# Altium PCB smart.PcbDoc (part 3 of 5)
Units mm, origin at the board's own origin, x right, y up, seen from the top; angles counter-clockwise.
Board outline 300.1 x 225.04 mm, 2 copper layers (Top Layer, Bottom Layer); 355 components, 288 nets, 1364 pads, 1127 vias.
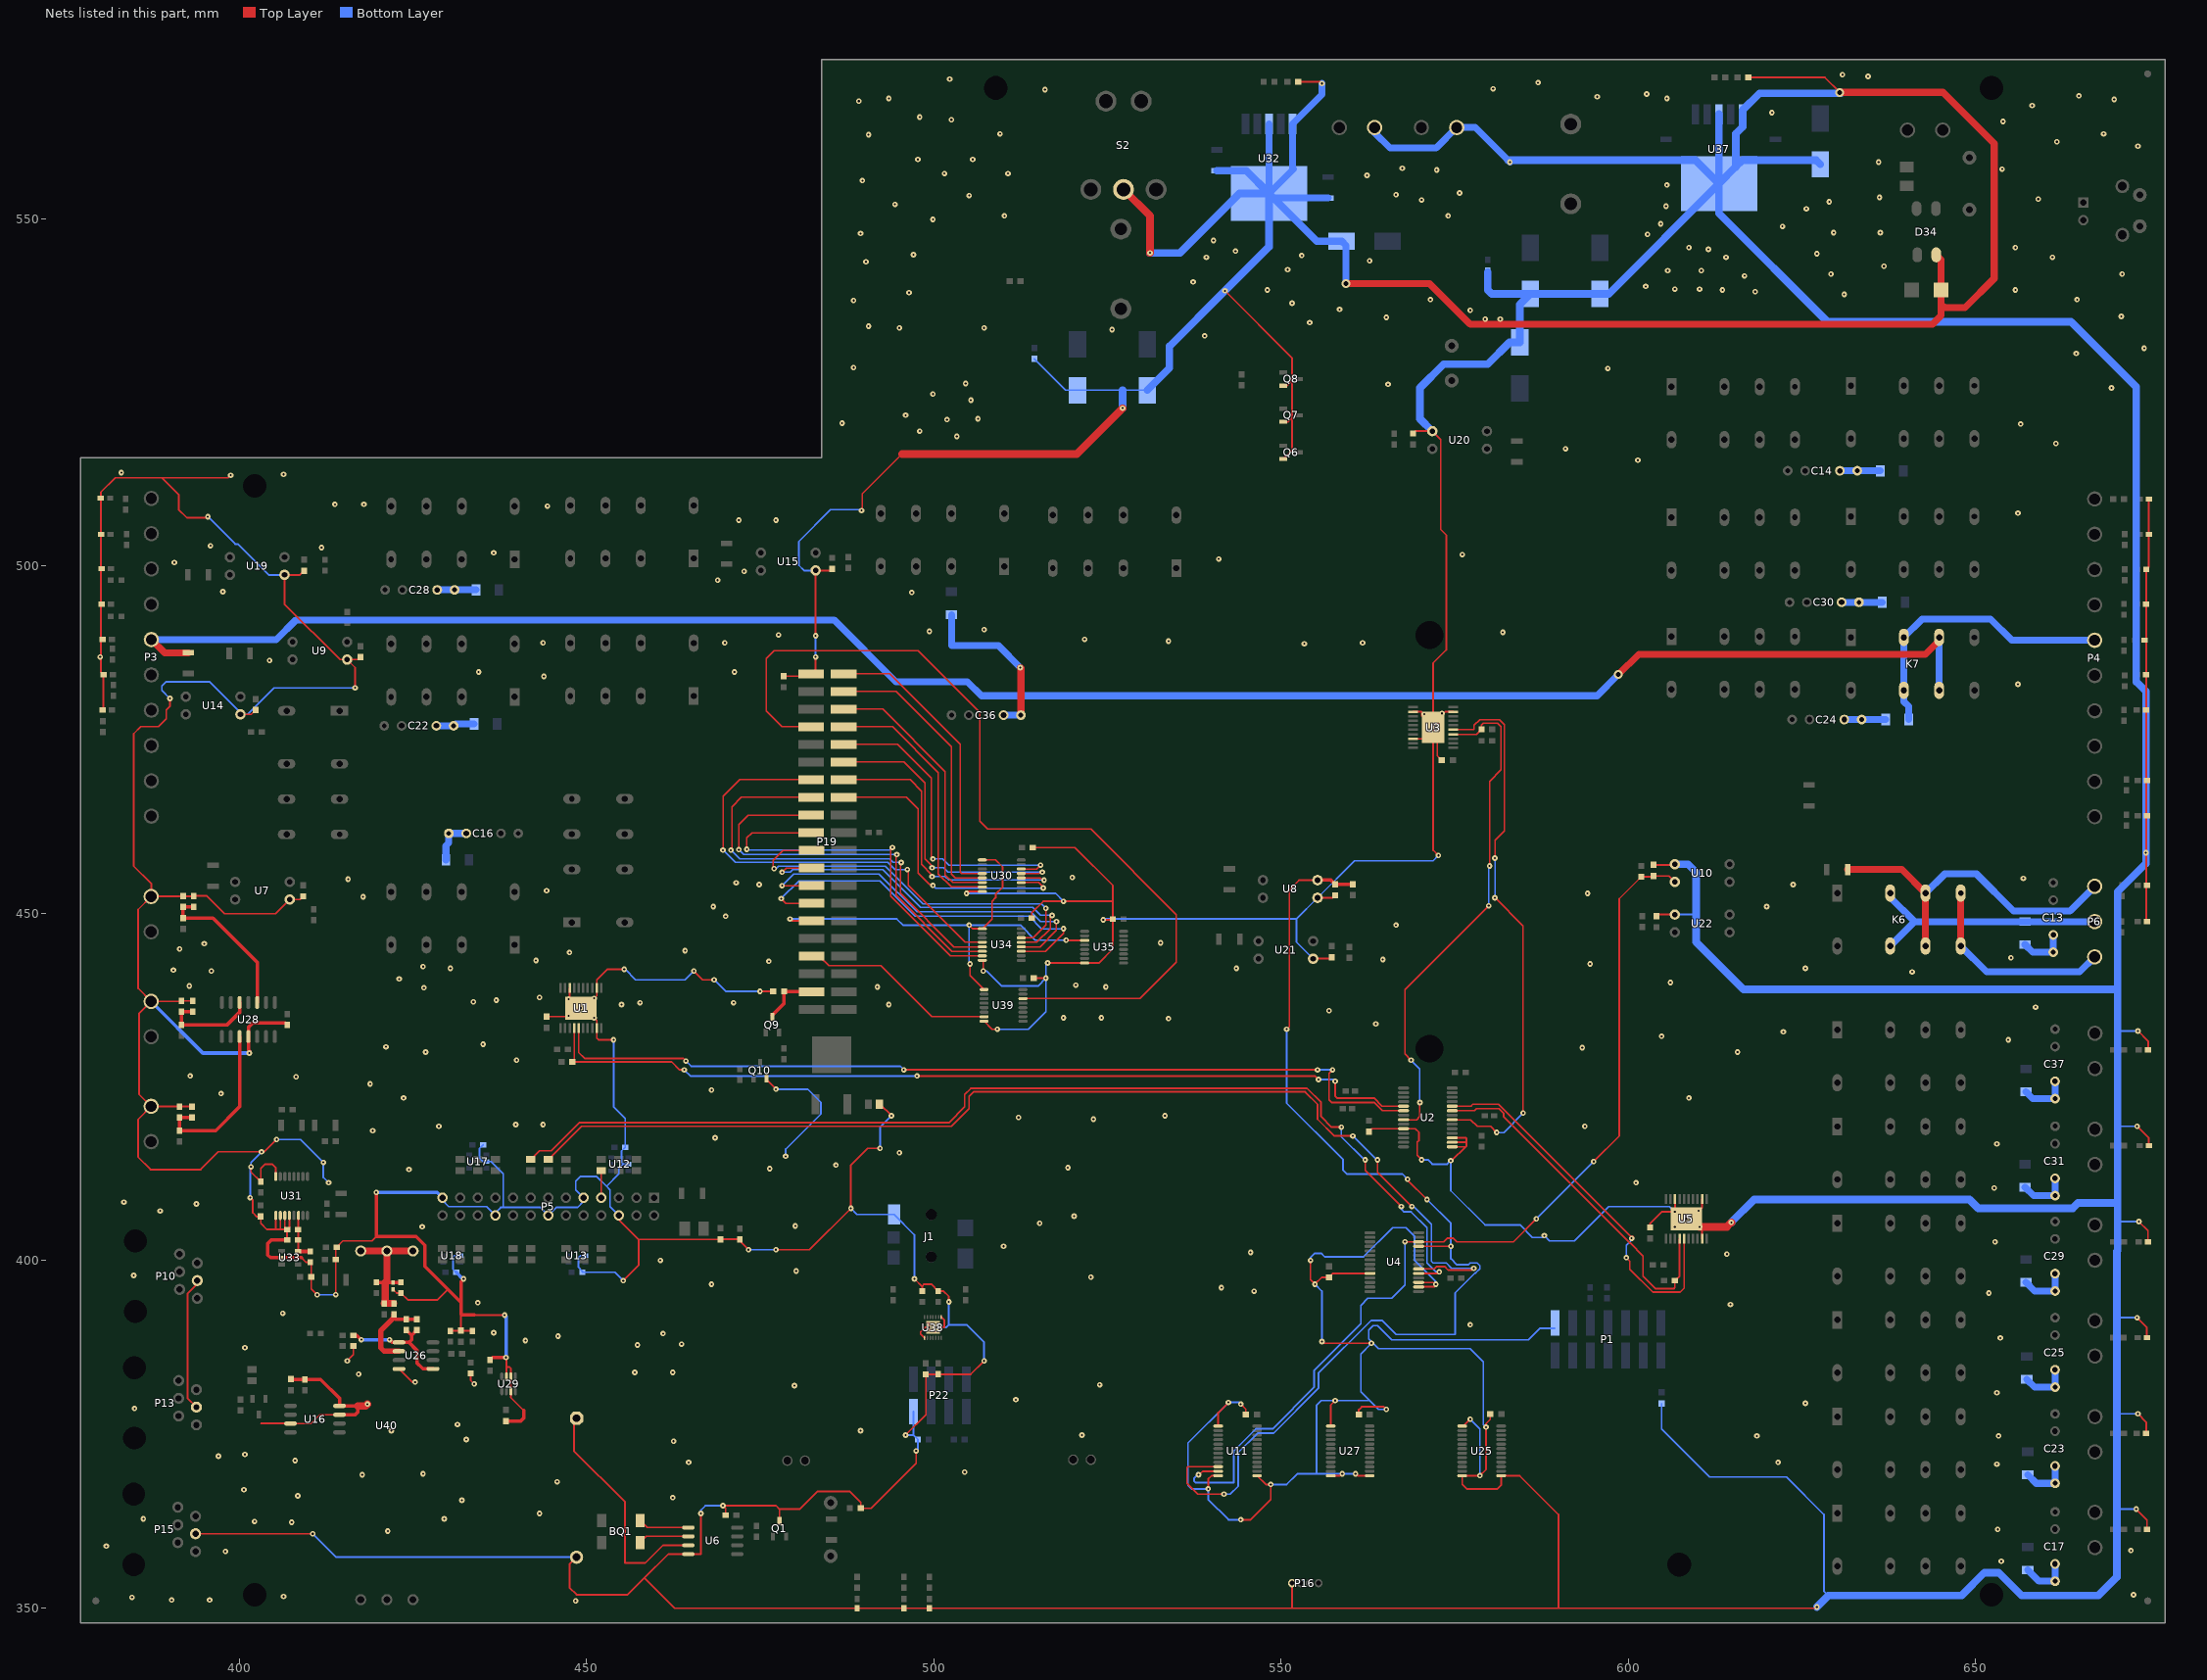
[diagram p3: the nets of this part, all layers, seen from the top]

## Via types
v1: diameter 0.8, hole 0.3, Top Layer to Bottom Layer, 1059 vias
v2: diameter 1.27, hole 0.711, Top Layer to Bottom Layer, 66 vias
v3: diameter 0.66, hole 0.33, Top Layer to Bottom Layer, tented top, 2 vias

## Nets (pads, with @x,y where several pads share a name; then routed paths per layer and width w, separated by ;. In a path a pad name is that pad's centre, name@x,y a point inside that pad or via, vN(x,y) a via of type N, cw(c..) or ccw(c..) an arc to the next point about the centre after c; other vN are vias at no path point) (continued)
COMP9: C12.1 R30.2 U4.25 U8.4 U11.10 | length 159.9
  Top Layer w0.254: U11.10@540.936,370.343 536.586,370.343 536.448,370.205 536.448,367.919 537.972,366.395 v1(541.782,366.395) ; v1(550.799,433.324) 551.18,433.705 551.18,453.39 552.577,454.787 U8.4@555.24,454.787 ; v1(568.198,411.734) 568.198,411.607 v1(570.992,408.813) ; U4.25@569.793,402.071 v1(574.432,402.071)
  Top Layer w0.5: U8.4@555.24,454.787 557.187,454.787 C12.1@557.784,454.19 557.809,454.165 R30.2@560.324,454.165
  Bottom Layer w0.254: v1(541.782,366.395) 542.671,366.395 543.814,367.538 543.814,372.364 546.608,375.158 548.894,375.158 555.371,381.635 555.371,383.794 562.991,391.414 564.515,391.414 566.547,389.382 575.056,389.382 575.056,395.351 577.935,398.23 578.003,398.23 578.612,398.839 578.612,399.288 578.231,399.669 577.215,399.669 576.961,399.415 575.31,399.415 574.432,400.293 v1(574.432,402.071) 574.432,405.373 v1(570.992,408.813) ; v1(550.799,433.324) 550.799,422.656 558.927,414.528 558.927,413.004 559.435,412.496 567.436,412.496 v1(568.198,411.734)
COMP10: C21.1 R45.2 U4.26 U10.4 U11.11 | length 140.1
  Top Layer w0.254: v1(538.099,369.189) 538.234,369.189 538.738,369.693 U11.11@540.936,369.693 ; v1(567.821,402.721) U4.26@569.793,402.721 573.405,402.721 573.909,403.225 574.806,403.225 575.31,402.721 583.442,402.721 v1(586.74,406.019) ; v1(594.995,414.274) 598.678,417.957 598.678,452.107 R45.2@601.853,455.282 C21.1@603.783,455.282 ; C21.1@603.631,455.384 605.832,455.384 U10.4@606.683,454.533
  Bottom Layer w0.254: v1@537.972,369.443 537.972,369.189 537.464,368.681 537.464,368.3 537.718,368.046 543.179,368.046 543.179,372.618 546.354,375.793 548.767,375.793 554.736,381.762 554.736,384.175 561.467,390.906 561.467,393.573 562.483,394.589 565.912,394.589 567.821,396.498 v1(567.821,402.721) ; v1(586.74,406.019) v1(594.995,414.274)
CS1: R2.2 U1.4 U2.5 | length 128.6
  Top Layer w0.254: U1.4@448.224,433.497 448.224,428.907 R2.2@447.942,428.625 462.28,428.625 463.423,427.482 v1(464.058,427.482) ; v1(497.586,426.593) 554.863,426.593 v1(555.371,426.085) ; v1(557.784,425.831) 557.784,423.672 558.038,423.418 563.372,423.418 564.541,422.249 U2.5@567.619,422.249
  Bottom Layer w0.254: v1(464.058,427.482) 464.947,426.593 v1(497.586,426.593) ; v1(555.371,426.085) 557.53,426.085 v1(557.784,425.831)
CS2: R10.2 U2.8 U3.4 | length 73.3
  Top Layer w0.2: U2.8@567.619,420.299 569.524,420.299 569.976,420.751 v1(569.976,422.783) ; v1(568.706,428.879) 567.817,429.768 567.817,439.039 v1(579.882,451.104) ; U3.4@574.756,475.783 578.132,475.783 R10.2@578.853,476.504 578.853,477.126 579.12,477.393 581.152,477.393 581.66,476.885 581.66,470.662 580.009,469.011 v1(580.009,456.819)
  Bottom Layer w0.2: v1(568.706,428.879) 569.976,427.609 v1(569.976,422.783) ; v1(579.882,451.104) v1@579.882,456.692
CS3: R16.2 U2.23 U5.4 | length 52.3
  Top Layer w0.254: U2.23@574.619,421.599 577.809,421.599 578.104,421.894 581.343,421.894 582.041,421.196 582.041,420.683 600.176,402.548 600.244,402.548 602.107,400.685 602.107,397.764 603.885,395.986 606.552,395.986 606.692,396.126 R16.2@606.692,397.129 607.355,397.792 U5.4@607.355,403.144
DB0: P19.2 U30.4 | length 42.7
  Top Layer w0.2: P19.2@487.022,484.495 493.659,484.495 503.809,474.345 503.809,455.93 503.992,455.747 U30.4@506.978,455.747
DB1: P19.4 U30.5 | length 41.8
  Top Layer w0.2: P19.4@487.022,481.955 494.548,481.955 502.539,473.964 502.539,455.676 503.118,455.097 U30.5@506.978,455.097
DB2: P19.6 U30.6 | length 39
  Top Layer w0.2: P19.6@487.022,479.415 492.643,479.415 501.65,470.408 501.65,455.549 502.752,454.447 U30.6@506.978,454.447
DB3: P19.8 U30.7 | length 38.1
  Top Layer w0.2: P19.8@487.022,476.875 494.04,476.875 500.634,470.281 500.634,455.676 502.513,453.797 U30.7@506.978,453.797
DB4: P19.10 U30.14 | length 45.3
  Top Layer w0.2: P19.10@487.022,474.335 494.802,474.335 499.618,469.519 499.618,458.089 v1(499.872,457.835) ; U30.14@512.578,456.397 514.817,456.397 v1(515.366,456.946)
  Bottom Layer w0.2: v1(499.872,457.835) 501.269,457.835 502.158,456.946 v1(515.366,456.946)
DB5: P19.12 U30.13 | length 44.7
  Top Layer w0.2: P19.12@487.022,471.795 495.691,471.795 498.729,468.757 498.729,457.835 v1@499.872,456.692 ; U30.13@512.578,455.747 515.183,455.747 v1@515.493,456.057
  Bottom Layer w0.2: v1(499.745,456.565) 501.396,456.565 502.031,455.93 v1(515.62,455.93)
DB6: P19.14 U30.12 | length 44.1
  Top Layer w0.2: P19.14@487.022,469.255 496.58,469.255 498.221,467.614 498.221,457.073 v1@499.745,455.549 ; U30.12@512.578,455.097 515.31,455.097 v1@515.62,454.787
  Bottom Layer w0.2: v1(499.745,455.295) 501.65,455.295 502.158,454.787 v1(515.874,454.787)
DB7: P19.16 U30.11 | length 42.9
  Top Layer w0.2: P19.16@487.022,466.715 496.072,466.715 497.713,465.074 497.713,455.803 499.364,454.152 499.872,454.152 v1(499.872,454.025) ; U30.11@512.578,454.447 515.071,454.447 v1@515.62,453.898
  Bottom Layer w0.2: v1(499.872,454.025) 500.253,453.644 v1(515.747,453.644)
DB8: P19.13 U34.4 | length 65.7
  Top Layer w0.2: v1(469.646,459.105) 469.646,466.852 472.049,469.255 P19.13@482.347,469.255 ; v1@496.316,456.565 496.316,454.025 504.5,445.841 U34.4@506.978,445.841
  Bottom Layer w0.2: v1(469.646,459.105) 471.424,457.327 493.395,457.327 494.411,456.311 v1(496.189,456.311)
DB9: P19.15 U34.5 | length 63.2
  Top Layer w0.2: v1@470.916,459.105 470.916,465.328 472.303,466.715 P19.15@482.347,466.715 ; v1@495.554,457.454 495.173,457.073 495.173,452.882 502.864,445.191 U34.5@506.978,445.191
  Bottom Layer w0.2: v1(470.789,459.105) 472.059,457.835 493.649,457.835 494.157,457.327 v1(495.3,457.327)
DB10: P19.17 U34.6 | length 59.4
  Top Layer w0.2: v1(471.932,459.168) 471.932,462.788 473.299,464.155 P19.17@482.347,464.155 ; v1@494.919,458.47 494.538,458.089 494.538,452.628 502.625,444.541 U34.6@506.978,444.541
  Bottom Layer w0.2: v1(471.932,459.168) 472.63,458.47 v1(494.665,458.47)
DB11: P19.19 U34.7 | length 56.3
  Top Layer w0.2: v1(473.075,459.232) 473.075,460.883 473.807,461.615 P19.19@482.347,461.615 ; v1(494.03,459.486) 493.776,459.232 493.776,452.501 502.386,443.891 U34.7@506.978,443.891
  Bottom Layer w0.2: v1(473.075,459.232) 473.202,459.105 493.649,459.105 v1(494.03,459.486)
DB12: P19.21 U34.14 | length 55.6
  Top Layer w0.2: v1@476.885,456.692 476.885,457.673 478.282,459.07 P19.21@482.397,459.07 ; U34.14@512.578,446.491 514.309,446.491 516.128,448.31 v1(516.128,450.723)
  Bottom Layer w0.2: v1(477.012,456.438) 477.266,456.438 477.647,456.819 493.014,456.819 498.475,451.358 515.493,451.358 v1(516.128,450.723)
DB13: P19.23 U34.13 | length 53.4
  Top Layer w0.2: v1(478.155,455.93) 478.755,456.53 P19.23@482.397,456.53 ; U34.13@512.578,445.841 514.802,445.841 516.763,447.802 516.763,449.58 v1@517.017,449.834
  Bottom Layer w0.2: v1(478.155,455.93) 479.298,455.93 479.679,456.311 492.633,456.311 498.094,450.85 514.223,450.85 515.366,449.707 v1(517.017,449.707)
DB14: P19.25 U34.12 | length 54.6
  Top Layer w0.2: v1(478.155,453.99) P19.25@482.397,453.99 ; U34.12@512.578,445.191 515.295,445.191 517.652,447.548 v1(517.652,448.818)
  Bottom Layer w0.2: v1(478.155,453.99) 479.841,455.676 492.125,455.676 497.586,450.215 513.969,450.215 515.366,448.818 v1(517.652,448.818)
DB15: P19.27 U34.11 | length 57
  Top Layer w0.2: v1(478.028,452.12) 478.698,451.45 P19.27@482.397,451.45 ; U34.11@512.578,444.541 516.042,444.541 518.668,447.167 v1(518.668,447.802)
  Bottom Layer w0.2: v1(478.028,452.12) 480.568,454.66 492.252,454.66 497.332,449.58 513.715,449.58 515.493,447.802 v1(518.668,447.802)
DC: P19.7 U39.14 | length 130.5
  Top Layer w0.2: P19.7@482.347,476.875 478.165,476.875 475.869,479.171 475.869,486.664 477.012,487.807 497.713,487.807 506.603,478.917 506.603,463.296 507.746,462.153 522.605,462.153 534.924,449.834 534.924,442.976 529.676,437.728 U39.14@512.832,437.728
G1: K7.6 K7.11 P3.6 R63.1 | length 280.6
  Top Layer w1: P3.6@387.35,489.411 389.232,487.529 R63.1@392.684,487.529 ; v2(598.551,484.378) 601.472,487.299 642.747,487.299 644.73,489.282 K7.6@644.73,489.739
  Bottom Layer w1: P3.6@387.35,489.411 405.337,489.411 408.178,492.252 485.648,492.252 494.538,483.362 504.825,483.362 506.857,481.33 595.503,481.33 v2(598.551,484.378) ; K7.11@644.73,482.119 K7.6@644.73,489.739
G2: K7.4 K7.13 P4.5 R56.2 | length 42
  Bottom Layer w1: R56.2@640.333,477.901 640.333,479.807 639.65,480.49 K7.13@639.65,482.119 K7.4@639.65,489.739 642.291,492.379 652.145,492.379 655.193,489.331 P4.5@667.131,489.331
GND: BAT1.2 C1.2 C2.2 C3.2 C4.2 C5.2 C6.2 C7.1 C8.2 C9.2 C10.1 C11.2 C12.2 C15.2 C18.1 C19.1 C20.2 C21.2 C26.2 C27.1 C32.1 C33.1 C34.2 C35.2 C38.2 C39.2 C40.2 C41.1 C43.1 C44.2 C46.2 C47.2 C48.2 C49.2 C51.1 C52.1 C53.2 C54.2 C55.1 C56.1 C57.1 C58.1 C59.2 C60.1 C61.2 C64.1 C65.1 C66.1 C67.1 C68.1 C69.1 C70.2 C71.1 C76.2 C77.2 C78.1 C79.1 C81.1 C83.2 C84.1 C85.2 C86.2 C87.1 C88.2 C89.2 C90.2 C91.2 C92.1 C93.2 D1.2 D2.2 D4.2 D5.2 D6.2 D7.2 D8.2 D9.2 D10.2 D11.2 D12.2 D13.2 D14.2 D15.2 D16.2 D17.2 D18.2 D19.2 D20.2 D21.2 D22.2 D23.2 D24.2 D25.2 D26.2 D27.2 D28.2 D33.3 D34.3 D35.3 D36.3 J1.1 P1.14 P5.6 P5.9 P5.14 P5.20 P5.25 P10.3 P13.3 P15.3 P16.1 P17.2 P18.2 P19.1 P20.2 P22.7 P23.2 P24.2 Q1.3 Q6.2 Q7.2 Q8.2 Q10.2 R95.2 R104.2 R107.2 R110.1 R112.1 R115.1 R116.2 R121.1 R122.2 R123.1 S2.2 U1.9 U1.12 U1.18 U1.21 U2.10 U2.15 U2.16 U2.17 U3.9 U3.12 U3.18 U3.21 U4.10 U4.16 U4.17 U5.9 U5.12 U5.18 U5.21 U6.4 U7.3 U8.3 U9.3 U10.3 U11.1 U11.12 U11.13 U12.2 U13.2 U14.3 U15.3 U16.3 U16.7 U16.8 U17.2 U18.2 U19.3 U20.3 U21.3 U22.3 U25.1 U25.12 U25.13 U26.4 U27.1 U27.12 U27.13 U28.11 U29.3 U29.6 U29.7 U30.8 U31.1 U31.2 U31.3 U31.4 U31.16 U32.3 U32.5 U32.6 U33.2 U34.8 U35.8 U37.3 U37.5 U37.6 U38.1 U38.8 U38.15 U39.8 | length 2905.1
  Top Layer w0.254: D4.2@380.325,479.298 380.452,479.425 D5.2@380.452,484.378 380.071,484.759 D11.2@380.071,509.778 380.071,510.627 382.143,512.699 388.874,512.699 ; v1(390.017,480.949) 390.017,479.806 389.509,479.298 389.509,478.028 388.366,476.885 385.826,476.885 384.81,475.869 384.81,456.819 387.33,454.299 P17.2@387.33,452.441 ; C58.1@393.138,422.215 P20.2@387.33,422.215 ; C56.1@393.319,437.401 R104.2@391.668,437.401 391.595,437.328 P18.2@387.33,437.328 ; P15.3@393.71,360.69 v1@410.581,360.69 ; P13.3@393.837,378.914 392.557,380.194 392.557,395.224 393.964,396.631 P10.3@393.964,397.139 ; v1(395.478,507.111) 395.328,506.961 392.453,506.961 391.287,508.127 391.287,510.286 388.874,512.699 ; v1(398.78,513.08) 398.399,512.699 388.874,512.699 ; U14.3@400.173,478.663 401.739,478.663 C34.2@402.336,479.26 ; v1(401.574,409.067) 401.955,408.686 401.955,406.908 402.501,406.362 C59.2@403.098,406.362 403.098,405.384 403.987,404.495 405.384,404.495 ; v1(401.701,413.512) 401.701,412.763 C60.1@403.098,411.366 403.098,413.258 403.733,413.893 404.749,413.893 405.268,413.374 U31.16@405.268,412.121 ; 403.157,376.555 403.199,376.597 407.34,376.597 U16.3@407.382,376.555 410.337,376.555 411.607,377.825 U16.7@414.432,377.825 ; U31.1@405.268,406.521 405.268,404.611 405.384,404.495 ; v1(405.384,417.449) 403.606,415.671 v1(403.225,415.671) 397.002,415.671 394.462,413.131 387.223,413.131 385.445,414.909 385.445,420.33 P20.2@387.33,422.215 ; U31.2@405.918,406.521 405.918,404.596 406.019,404.495 ; U31.3@406.568,406.521 406.568,404.822 C67.1@406.895,404.495 ; C68.1@406.895,402.971 C67.1@406.895,404.495 ; U31.4@407.218,406.521 407.218,404.818 C67.1@406.895,404.495 ; 408.94,400.431 409.588,399.783 C69.1@410.21,399.783 410.375,399.618 C61.2@410.375,397.637 410.375,395.948 v1(411.226,395.097) ; C11.2@409.194,452.463 408.724,451.993 U7.3@407.285,451.993 405.253,449.961 397.891,449.961 395.338,452.514 C52.1@393.446,452.514 393.373,452.441 P17.2@387.33,452.441 ; C38.2@409.321,499.326 408.724,498.729 U19.3@406.523,498.729 406.523,494.542 414.528,486.537 U9.3@415.54,486.537 ; v1(413.906,395.11) C65.1@413.906,400.177 413.906,401.828 C64.1@414.033,401.955 414.922,402.844 419.1,402.844 419.735,403.479 ; v1(415.544,385.572) 416.446,386.474 R121.1@416.446,387.731 ; v1(416.687,482.473) 416.687,485.39 U9.3@415.54,486.537 ; C20.2@417.449,486.88 417.106,486.537 U9.3@415.54,486.537 ; R122.2@422.148,395.867 422.677,395.338 C44.2@423.291,395.338 ; U26.4@423,384.429 424.905,382.524 v1(425.323,382.524) ; C44.2@423.304,395.338 424.307,394.335 428.498,394.335 430.022,395.859 ; C43.1@430.403,389.903 C41.1@433.578,389.903 ; C40.2@431.927,389.928 431.927,392.303 ; R123.1@433.324,383.781 433.324,382.778 v1(433.832,382.27) ; 433.832,392.176 v1(438.214,392.176) ; v1(438.404,386.067) 438.46,386.011 438.46,384.612 ; U29.7@438.46,383.345 438.46,384.612 ; 440.944,378.46 439.11,380.294 U29.3@439.11,381.195 U29.6@439.11,383.345 439.11,384.485 438.912,384.683 438.531,384.683 438.46,384.612 ; C1.2@444.246,435.14 447.332,435.14 v1(447.421,435.229) ; v1(447.421,437.642) 447.574,437.795 U1.18@447.574,439.247 ; BAT1.2@448.564,357.317 447.548,356.301 447.548,352.933 448.564,351.917 455.93,351.917 458.343,354.33 ; v1(451.104,434.975) 451.474,434.605 U1.9@451.474,433.497 451.474,432.065 451.739,431.8 v1(453.898,431.8) ; v1(451.104,437.769) 451.474,438.139 U1.12@451.474,439.247 451.474,440.425 453.009,441.96 v1(455.422,441.96) ; P5.6@454.66,406.527 454.66,405.892 457.492,403.06 ; v1(455.295,397.129) 457.492,399.326 457.492,403.06 ; v1(465.455,441.706) 466.725,440.436 v1(468.376,440.436) ; v1@466.344,363.728 v1(466.471,363.601) 466.471,357.759 U6.4@464.659,357.759 461.772,357.759 458.343,354.33 ; C9.2@469.265,403.06 457.492,403.06 ; C9.2@469.29,403.085 C10.1@472.059,403.085 472.059,402.844 v1(473.329,401.574) ; C7.1@470.014,363.347 470.014,364.376 v1(469.646,364.744) 477.266,364.744 477.774,364.236 ; v1@475.107,438.785 C93.2@476.847,438.785 ; Q10.2@475.93,426.23 475.93,426.024 v1(477.266,424.688) ; v1(477.266,401.574) 482.092,401.574 v1(488.061,407.543) 488.061,413.766 490.474,416.179 v1(492.252,416.179) ; Q1.3@477.774,362.567 477.774,364.236 ; C53.2@478.409,484.162 P19.1@482.014,484.162 ; P19.1@482.347,484.495 482.977,485.125 v1(482.977,486.922) ; v1@482.854,489.839 v1(482.977,489.962) U15.3@482.977,499.364 485.178,499.364 C35.2@485.394,499.58 ; v1(489.585,508) 489.712,508.127 489.712,510.413 495.427,516.128 ; R112.1@492.163,422.529 492.252,422.529 v1(493.903,420.878) ; v1(495.935,374.904) 498.856,377.825 C91.2@498.856,383.629 500.609,383.629 C92.1@500.634,383.654 505.32,383.654 v1(507.238,385.572) ; v1(497.205,397.383) 498.348,396.24 ; v1(497.459,372.618) 497.459,370.84 490.982,364.363 C8.2@489.496,364.363 489.496,365.214 487.934,366.776 483.235,366.776 480.695,364.236 477.774,364.236 ; C90.2@498.348,395.618 498.348,396.24 ; U38.8@498.672,388.898 498.094,389.476 498.094,389.763 498.729,390.398 v3(499.272,390.398) ; v3(500.472,390.398) 501.523,390.398 501.523,391.451 U38.1@501.076,391.898 ; v1(502.158,394.081) 502.158,394.843 501.383,395.618 C89.2@500.634,395.618 499.631,396.621 498.602,396.621 498.348,396.367 498.348,396.24 ; v1(504.698,452.882) 504.963,453.147 U30.8@506.978,453.147 ; U34.8@506.978,443.241 507.111,443.108 v1(507.111,441.706) ; U39.8@507.232,434.478 508.386,433.324 v1(509.143,433.324) ; C79.1@514.109,449.326 514.109,450.101 515.747,451.739 525.64,451.739 525.767,451.866 ; C57.1@514.236,459.486 520.319,459.486 525.767,454.038 525.767,451.866 ; C81.1@514.363,440.69 v1(516.128,440.69) ; v1(516.393,442.86) U35.8@521.71,442.86 523.759,442.86 525.767,444.868 C66.1@525.767,449.199 ; v1(524.383,449.072) 525.64,449.072 C66.1@525.767,449.199 ; v1(539.496,367.157) 539.496,368.554 539.985,369.043 U11.12@540.936,369.043 ; U11.1@540.936,376.193 540.936,378.122 v1(542.417,379.603) ; v1(541.909,539.623) 551.561,529.971 551.561,526.669 ; v1(544.195,362.712) 545.592,362.712 548.513,365.633 v1(548.513,367.792) 547.787,367.792 U11.13@546.536,369.043 ; v1(544.195,379.349) 544.919,378.625 C15.2@544.919,377.825 ; Q6.2@550.309,515.432 551.561,516.684 551.561,521.335 ; Q7.2@550.309,520.766 550.992,520.766 551.561,521.335 ; Q8.2@550.309,525.973 550.865,525.973 551.561,526.669 ; P16.1@551.561,353.568 551.561,349.972 ; R110.1@552.463,569.722 555.625,569.722 v1(555.879,569.468) ; v1(554.228,400.05) 554.228,397.256 v1(554.863,396.621) 555.841,397.599 C4.2@556.895,397.599 557.467,398.171 U4.10@562.793,398.171 ; U21.3@554.605,443.484 557.06,443.484 C48.2@557.276,443.7 ; U8.3@555.24,452.247 557.441,452.247 C12.2@557.784,452.59 ; v1(555.879,388.366) 556.133,388.112 v1(562.991,388.112) ; U27.12@557.143,369.043 558.527,369.043 v1(558.8,369.316) ; U27.1@557.143,376.193 557.143,379.216 v1(557.784,379.857) ; v1(560.705,369.316) 560.978,369.043 U27.13@562.743,369.043 ; C46.2@561.175,377.825 561.175,378.549 561.594,378.968 564.769,378.968 v1@565.023,378.714 ; C2.2@562.61,418.554 563.055,418.999 U2.10@567.619,418.999 569.315,418.999 569.849,418.465 569.849,417.322 569.595,417.068 569.595,415.163 v1(570.23,414.528) ; C39.2@568.96,519.087 569.303,519.43 U20.3@571.758,519.43 572.963,518.225 572.963,505.267 573.786,504.444 573.786,487.934 571.881,486.029 U3.21@571.881,477.266 ; U3.18@569.006,475.133 570.256,475.133 U3.21@571.881,476.758 ; U3.12@569.006,479.033 570.219,479.033 570.219,478.42 ; U4.16@569.793,396.221 569.812,396.24 572.135,396.24 572.135,396.621 571.885,396.871 U4.17@569.793,396.871 ; v1(572.643,458.343) 571.881,459.105 U3.21@571.881,476.758 ; C3.2@573.113,472.059 572.478,472.694 572.478,476.161 U3.21@571.881,476.758 ; v1(574.421,414.401) 574.548,414.401 576.546,416.399 ; U2.15@574.619,416.399 576.546,416.399 ; U2.16@574.619,417.049 576.688,417.049 ; U2.17@574.619,417.699 576.584,417.699 576.688,417.595 576.688,417.049 ; U3.9@574.756,479.033 573.648,479.033 U3.21@571.881,477.266 ; U25.1@576.066,376.193 576.218,376.193 v1(577.215,377.19) ; C47.2@580.098,377.952 580.098,377.152 579.501,376.555 579.501,369.951 v1(578.612,369.062) 578.593,369.043 U25.12@576.066,369.043 576.066,367.798 576.707,367.157 581.152,367.157 581.666,367.671 U25.13@581.666,369.043 584.346,369.043 589.915,363.474 589.915,349.972 ; C6.2@603.123,404.787 603.123,405.384 604.774,407.035 v1(606.679,407.035) ; C21.2@603.631,456.984 U10.3@606.594,456.984 ; C49.2@604.228,449.834 U22.3@606.683,449.834 ; U5.21@606.705,407.061 U5.18@606.705,408.894 ; v1(610.108,407.162) 610.605,407.659 U5.12@610.605,408.894 ; v1(610.235,404.876) 610.605,404.506 U5.9@610.605,403.144 ; R115.1@617.233,570.357 628.269,570.357 v2(630.428,568.198) ; v1(627.126,350.139) 626.959,349.972 589.915,349.972 ; v1(673.1,364.236) 674.664,362.672 D14.2@674.664,361.315 ; v1(673.227,391.795) 674.637,390.385 D16.2@674.637,388.92 ; v1(673.227,419.354) 674.918,417.663 D27.2@674.918,416.56 ; v1(673.354,377.952) 674.537,376.769 D15.2@674.537,375.158 ; v1(673.354,433.07) 674.818,431.606 D26.2@674.818,430.357 ; v1(673.481,405.638) 674.791,404.328 D17.2@674.791,402.717 ; D22.2@674.664,448.818 674.537,448.945 D18.2@674.537,479.298 D19.2@674.537,484.378 D21.2@674.537,494.538 674.537,499.524 D28.2@674.55,499.537 674.918,499.905 D25.2@674.918,504.571 D24.2@674.918,509.651 ; P20.2@387.33,422.215 385.572,423.973 385.572,435.57 P18.2@387.33,437.328 ; P18.2@387.33,437.328 385.445,439.213 385.445,450.556 P17.2@387.33,452.441 ; 405.384,404.495 406.019,404.495 ; 406.019,404.495 C67.1@406.895,404.495 ; 458.343,354.33 462.701,349.972 D23.2@488.95,349.972 D2.2@495.681,349.972 D1.2@499.364,349.972 551.561,349.972 ; C66.1@525.767,449.199 525.767,451.866 ; 551.561,349.972 589.915,349.972 ; 551.561,521.335 551.561,526.669 ; U3.21@571.881,476.758 U3.21@571.881,477.266 ; 576.546,416.399 576.688,416.541 576.688,417.049
  Top Layer w0.5: v1@401.574,430.149 401.32,430.403 U28.11@401.32,432.271 401.32,433.578 401.955,434.213 406.641,434.213 C51.1@406.908,433.946 ; C68.1@406.895,402.971 404.622,402.971 404.114,402.463 404.114,400.812 404.495,400.431 U33.2@406.114,400.431 408.94,400.431 ; C26.2@407.441,382.918 C27.1@409.448,382.918 411.721,382.918 414.432,380.207 U16.8@414.432,379.095 417.068,379.095 417.068,378.206 416.687,377.825 U16.7@414.432,377.825 ; v1(419.735,409.829) 419.735,403.479 425.45,403.479 426.72,402.209 426.72,399.161 430.022,395.859 431.927,393.954 ; v1(432.308,397.383) 431.927,397.002 431.927,393.954 ; 433.832,392.176 432.054,392.176 431.927,392.303 431.927,393.954 ; C55.1@436.118,385.712 436.473,386.067 v1(438.404,386.067) ; C54.2@438.404,376.898 440.525,376.898 440.944,377.317 440.944,378.46
  Top Layer w1: v2(559.308,540.639) 571.373,540.639 577.215,534.797 643.763,534.797 645.024,536.058 645.024,537.727 ; v2(630.428,568.198) 645.287,568.198 652.653,560.832 652.653,541.401 648.462,537.21 645.541,537.21 645.024,537.727 ; D34.3@644.314,544.801 645.024,544.091 D35.3@645.024,539.75 645.024,537.727
  Top Layer w1.1: 417.068,379.095 418.211,379.095 v1(418.465,379.349) ; 495.427,516.128 520.574,516.128 v1(527.178,522.732) ; S2.2@527.304,554.228 531.114,550.418 v1(531.114,545.084) ; v1(610.235,404.876) 614.172,404.876 v1(614.807,405.511)
  Bottom Layer w0.254: v1(390.017,480.949) 388.874,482.092 388.874,482.727 389.509,483.362 395.732,483.362 400.173,478.921 U14.3@400.173,478.663 401.193,478.663 405.003,482.473 v1(416.687,482.473) ; P13.3@393.837,378.914 P13.3@394.135,378.914 ; v1(395.478,507.111) 399.415,503.174 399.796,503.174 404.241,498.729 U19.3@406.523,498.729 ; v1(401.574,409.067) 401.574,413.385 v1(401.701,413.512) 401.701,414.147 v1(403.225,415.671) ; v1(405.384,417.449) 408.813,417.449 v1(412.115,414.147) 412.115,411.988 v1(412.877,411.226) ; v1(410.591,360.68) 413.954,357.317 BAT1.2@448.564,357.317 ; v1(411.226,395.097) 413.893,395.097 v1(413.906,395.11) ; P5.25@429.26,409.067 429.26,408.686 430.149,407.797 435.61,407.797 P5.20@436.88,406.527 436.88,406.908 437.642,407.67 438.023,407.67 ; C32.1@431.232,398.326 430.784,398.774 430.784,400.558 430.965,400.739 U18.2@431.809,400.739 ; C33.1@435.115,416.687 434.594,416.166 434.594,414.782 435.102,414.274 U17.2@435.565,414.274 436.245,414.274 438.023,412.496 438.023,407.67 ; U13.2@449.843,400.739 449.126,400.739 448.818,400.431 448.818,399.088 449.393,398.513 C18.1@449.393,398.326 454.098,398.326 v1(455.295,397.129) ; v1(453.898,431.8) 453.898,422.148 455.562,420.484 C19.1@455.562,416.306 455.041,415.785 455.041,414.147 455.295,413.893 ; P5.6@454.66,406.908 P5.6@454.66,406.527 453.39,407.797 453.39,410.21 452.882,410.718 ; v1@455.295,441.96 455.549,441.96 457.073,440.436 464.185,440.436 v1(465.455,441.706) ; U12.2@456.012,413.893 455.295,413.893 ; v1(466.471,363.601) 466.471,364.109 467.106,364.744 v1(469.646,364.744) ; v1(468.376,440.436) 470.027,438.785 v1(474.98,438.785) ; v1(473.329,401.574) v1(477.266,401.574) ; v1(477.266,424.688) 481.838,424.688 483.743,422.783 483.743,421.132 478.663,416.052 v1(478.663,415.036) ; v1(482.977,486.922) v1(482.977,489.962) ; U15.3@482.977,499.364 481.33,499.364 480.568,500.126 480.568,503.555 485.14,508.127 v1@489.712,508.127 ; v1(488.061,407.543) 488.948,406.656 J1.1@494.268,406.656 497.205,403.719 v1(497.205,397.383) ; v1(492.252,416.179) 492.252,419.227 v1(493.903,420.878) ; v1(495.935,374.904) 497.031,374.904 497.048,374.921 ; P22.7@497.048,378.274 497.048,374.921 ; v1(497.459,372.618) 497.7,372.859 R116.2@497.7,374.269 497.048,374.921 ; v3(500.472,390.398) 501.777,390.398 502.158,390.779 ; v1(502.158,394.081) 502.158,390.779 ; v1(504.698,452.882) 517.525,452.882 v1(518.668,451.739) ; v1(507.111,441.706) 507.619,441.706 509.778,439.547 514.985,439.547 v1(516.128,440.69) ; v1(507.238,385.572) 507.238,388.239 504.698,390.779 502.158,390.779 ; v1(509.143,433.324) 513.588,433.324 516.128,435.864 v1(516.128,440.69) ; C78.1@514.477,529.831 518.982,525.326 C76.2@520.695,525.326 527.178,525.326 C77.2@530.728,525.326 ; v1(516.393,442.86) 516.128,442.595 v1(516.128,440.69) ; v1(524.383,449.072) 524.51,449.199 552.192,449.199 ; v1(544.195,362.712) 542.417,362.712 539.496,365.633 v1(539.496,367.157) 537.083,367.157 536.575,367.665 536.575,373.761 v1(542.417,379.603) 543.941,379.603 v1(544.195,379.349) ; v1(548.513,367.792) 550.799,367.792 552.323,369.316 555.117,369.316 ; v1(554.228,400.05) 554.228,400.431 554.863,401.066 555.752,401.066 556.26,400.558 561.848,400.558 566.039,404.749 567.944,404.749 569.214,403.479 569.214,400.05 572.262,397.002 v1(572.262,396.621) ; U21.3@554.605,443.484 552.192,445.897 552.192,449.199 ; v1(554.863,396.621) 555.879,395.605 v1(555.879,388.366) ; v1(560.705,369.316) v1(558.8,369.316) 555.117,369.316 ; v1(562.991,388.112) 561.467,386.588 561.467,381.127 564.007,378.587 ; v1(565.15,378.587) 564.007,378.587 ; v1(570.23,414.528) 571.119,414.528 571.754,413.893 573.913,413.893 v1(574.421,414.401) 574.421,410.083 579.351,405.153 584.367,405.153 586.168,403.352 v1@587.756,403.352 ; v1(572.643,458.343) 571.881,457.581 560.574,457.581 U8.3@555.24,452.247 552.192,449.199 ; v1(577.215,377.19) 578.612,375.793 v1(578.612,369.062) ; v1(579.501,376.047) 579.12,376.428 579.12,385.445 577.215,387.35 564.007,387.35 562.61,388.747 562.61,390.017 563.245,390.652 563.88,390.652 565.912,388.62 585.597,388.62 587.235,390.258 P1.14@589.407,390.258 ; v1(587.883,403.606) 588.645,402.844 592.201,402.844 597.154,407.797 605.917,407.797 v1(606.679,407.035) ; C5.2@604.774,379.438 604.774,375.793 611.695,368.871 622.745,368.871 628.142,363.474 628.142,352.425 628.777,351.79 ; U22.3@606.683,449.834 609.473,449.834 609.727,449.58 ; 670.306,364.363 670.433,364.236 v1(673.1,364.236) ; 670.306,377.952 v1(673.354,377.952) ; 670.306,391.668 670.433,391.795 v1(673.227,391.795) ; 670.433,405.638 v1(673.481,405.638) ; 670.433,419.354 v1(673.227,419.354) ; 670.433,433.07 v1(673.354,433.07) ; 438.023,407.67 443.357,407.67 P5.14@444.5,406.527 445.643,407.67 448.691,407.67 449.58,408.559 P5.9@449.58,409.067 448.437,410.21 448.437,411.48 449.072,412.115 451.485,412.115 452.882,410.718 ; 452.882,410.718 454.66,412.496 454.66,413.258 455.295,413.893 ; 555.117,369.316 555.117,379.222 555.752,379.857 v1(557.784,379.857) 562.737,379.857 564.007,378.587
  Bottom Layer w0.5: P18.2@387.33,437.328 394.763,429.895 v1(401.447,429.895) ; v1(419.735,409.829) 428.498,409.829 P5.25@429.26,409.067 ; C32.1@431.232,398.326 432.175,397.383 v1(432.308,397.383) ; v1(438.214,392.176) 438.404,391.986 v1(438.404,386.067)
  Bottom Layer w1: U32.3@548.259,563.653 U32.6@548.259,553.653 ; U32.6@551.659,557.053 U32.5@551.659,563.653 555.879,567.873 v1(555.879,569.468) ; U32.6@551.779,557.173 U32.6@548.259,553.653 ; C71.1@556.768,552.982 548.93,552.982 U32.6@548.259,553.653 ; C70.2@558.725,546.76 559.308,546.177 v2(559.308,540.639) ; P23.2@563.459,563.138 563.459,562.396 565.658,560.197 572.329,560.197 P24.2@575.27,563.138 577.957,563.138 582.652,558.443 v1(582.93,558.165)
  Bottom Layer w1.1: v1(527.178,522.732) 527.178,525.326 ; C77.2@530.728,525.326 533.908,528.506 533.908,531.622 v1(541.909,539.623) 548.259,545.973 U32.6@548.259,553.653 ; v1(531.114,545.084) 535.432,545.084 544.001,553.653 U32.6@548.259,553.653 ; D33.3@540.766,556.919 544.993,556.919 U32.6@548.259,553.653 ; U32.6@548.93,552.982 555.152,546.76 C70.2@558.725,546.76 ; U20.3@571.758,519.43 569.976,521.212 569.976,525.653 573.405,529.082 579.755,529.082 582.878,532.205 C88.2@584.352,532.205 584.352,537.653 C85.2@585.866,539.167 ; C87.1@579.755,542.29 579.755,539.75 580.338,539.167 C85.2@585.866,539.167 ; v1@582.652,558.443 D36.3@605.409,558.443 609.636,558.443 U37.6@613.029,555.05 ; U10.3@606.683,457.073 608.584,457.073 609.727,455.93 609.727,449.58 609.727,445.897 616.585,439.039 670.433,439.039 ; U37.3@613.029,565.05 U37.6@613.029,555.05 ; v1(614.807,405.511) 618.109,408.813 649.097,408.813 650.367,407.543 663.956,407.543 664.718,408.305 670.433,408.305 ; v1(627.126,350.139) 628.777,351.79 647.954,351.79 651.256,355.092 653.288,355.092 656.59,351.79 667.639,351.79 670.306,354.457 670.306,364.363 670.306,377.952 670.306,391.668 670.306,401.32 670.433,401.447 670.433,405.638 670.433,408.305 ; C83.2@627.609,557.836 627.002,558.443 C84.1@621.157,558.443 616.422,558.443 U37.6@615.442,557.463 ; v2@630.555,568.071 618.871,568.071 616.429,565.629 U37.5@616.429,565.05 616.429,563.216 615.442,562.229 U37.6@615.442,557.463 ; C85.2@585.866,539.167 C86.2@595.899,539.167 597.146,539.167 U37.6@613.029,555.05 ; U37.6@613.029,555.05 613.029,550.799 628.65,535.178 663.702,535.178 673.1,525.78 673.1,483.362 674.497,481.965 674.497,457.2 670.433,453.136 670.433,439.039 ; U37.6@613.029,555.05 U37.6@615.442,557.463 ; 670.433,408.305 670.433,419.354 670.433,433.07 670.433,439.039
  other v1: 448.437,351.028 390.271,351.155 395.732,351.155 384.556,351.536 406.4,351.663 672.719,351.917 653.669,356.743 398.018,358.14 672.338,358.267 380.873,358.902 421.386,361.061 653.161,361.315 407.543,362.331 402.209,362.458 386.207,362.839 429.514,362.839 443.23,363.601 432.054,365.506 462.407,365.887 408.432,366.141 400.685,367.03 445.77,368.173 417.703,369.189 426.466,369.316 504.444,369.57 653.034,370.713 464.693,370.967 621.538,370.967 408.051,371.221 397.002,371.856 400.812,372.11 462.534,374.015 432.689,374.269 618.49,374.777 653.288,374.777 521.335,374.904 421.894,375.539 489.458,375.539 431.419,376.428 384.937,378.714 625.475,379.476 511.81,379.984 653.034,381 479.933,382.016 523.875,382.143 417.195,383.667 456.946,383.921 462.407,383.921 400.812,387.477 457.327,387.858 463.677,387.985 441.198,388.493 653.542,388.874 445.897,389.128 461.01,389.509 436.626,389.636 577.215,390.779 406.273,392.43 614.68,393.7 434.34,393.954 651.891,395.351 546.1,395.605 541.401,396.113 467.995,396.621 522.605,397.637 384.81,397.891 480.187,398.526 460.629,400.05 614.172,400.939 545.592,401.193 510.032,402.082 652.78,402.717 426.339,404.876 606.679,404.876 480.06,405.003 515.239,405.384 608.33,406.019 520.192,406.4 388.62,407.162 393.827,408.178 383.413,408.432 652.653,410.464 601.091,411.226 424.434,413.131 476.377,413.258 519.303,413.385 485.902,413.766 495.046,415.544 653.034,416.814 468.503,417.703 419.227,418.719 428.752,419.354 593.725,419.354 439.801,419.608 443.738,419.608 522.986,420.37 512.191,420.624 533.273,420.878 423.672,423.418 608.711,423.418 397.383,424.053 467.995,424.561 418.846,425.45 408.178,426.466 392.938,426.593 439.928,428.879 426.847,430.022 615.696,430.022 593.344,430.657 421.132,430.784 435.102,431.165 654.685,431.8 604.774,432.308 622.3,432.943 563.626,434.086 533.781,434.848 518.668,434.975 524.129,434.975 556.895,435.991 449.199,436.372 658.622,436.499 455.041,436.88 493.522,436.88 457.708,437.134 471.17,437.134 433.705,437.261 437.007,437.515 443.23,437.896 426.593,439.293 491.871,439.42 524.764,439.42 392.811,439.547 520.446,439.674 606.044,440.055 423.037,440.563 640.842,441.579 395.986,441.706 390.525,441.833 430.403,442.087 543.56,442.087 625.475,442.087 426.466,442.341 594.487,442.722 476.25,443.103 442.722,443.23 564.642,443.357 655.066,443.611 447.548,444.373 464.185,444.627 391.414,444.881 394.97,445.643 532.638,445.77 566.547,448.31 470.027,449.58 468.249,450.977 619.887,450.977 417.83,452.374 594.106,452.882 444.246,453.263 474.853,454.152 623.697,454.152 471.551,454.406 415.671,454.914 656.844,455.041 519.938,455.168 674.497,458.724 570.611,478.663 573.151,478.79 656.082,482.981 443.865,484.124 434.467,484.759 471.297,484.759 404.368,486.41 379.984,486.918 553.339,488.823 443.738,488.95 469.9,488.95 561.721,488.95 533.781,489.204 521.716,489.458 477.647,490.093 581.914,490.474 499.364,490.601 507.238,490.855 496.824,496.189 397.637,496.316 468.884,497.967 472.694,499.237 390.652,500.507 541.02,501.015 576.072,501.65 436.626,501.904 411.861,502.666 395.859,502.92 471.932,506.603 477.266,506.603 656.082,507.619 444.373,508.635 413.766,508.889 417.957,508.889 406.4,513.207 383.032,513.461 601.345,515.239 590.931,516.89 661.543,517.652 503.301,518.668 497.967,519.43 656.463,520.446 486.791,520.573 501.904,521.081 506.349,521.208 495.935,521.716 505.333,523.875 499.872,524.764 669.544,525.653 565.404,526.161 504.571,526.288 597.027,528.447 488.442,528.574 664.464,530.606 674.243,531.368 538.988,533.146 525.653,534.035 495.046,534.289 507.238,534.289 490.601,534.543 554.101,535.051 579.374,535.559 581.533,535.559 565.15,535.813 670.941,535.94 577.215,536.829 558.419,536.956 551.561,537.845 488.442,538.226 571.5,538.353 664.591,538.353 631.063,539.115 496.443,539.369 618.236,539.496 548.005,539.75 613.537,539.75 655.701,539.75 606.679,539.877 610.235,539.877 602.488,540.258 537.337,540.893 616.712,541.782 629.158,542.036 671.068,542.036 605.663,542.544 610.489,542.544 550.926,542.671 636.778,543.179 490.22,543.814 562.737,543.941 539.242,544.449 614.045,544.449 661.035,544.449 552.958,544.703 497.078,544.83 627.126,544.957 543.433,545.338 611.505,545.592 608.711,545.846 655.701,545.846 540.258,546.862 602.742,547.751 489.458,547.878 629.539,548.005 636.27,548.005 622.173,548.894 604.647,549.275 499.872,549.91 510.159,550.418 574.04,550.418 625.602,551.434 605.409,551.815 494.411,552.069 628.904,552.45 570.23,552.704 659.003,552.831 636.143,553.085 505.079,553.339 566.547,553.466 575.691,553.72 605.536,554.863 489.712,555.498 562.356,556.26 501.523,556.514 510.667,556.514 572.389,557.022 653.796,557.149 567.436,557.276 636.016,558.165 497.713,558.546 505.587,558.546 673.354,560.451 661.67,561.086 490.601,562.102 509.524,562.229 668.401,562.229 653.923,564.007 502.539,564.261 497.967,564.642 620.649,565.277 658.114,566.293 489.204,566.928 669.925,567.182 493.522,567.309 605.536,567.309 595.503,567.563 664.845,567.69 602.615,567.944 516.001,568.579 580.517,568.706 586.994,569.595 502.285,570.103 634.492,570.484 630.809,570.738
GPIO4: P5.7 R19.2 | length 3.9
  Top Layer w0.254: P5.7@452.12,409.067 R19.2@452.12,412.966
HA: K6.6 K6.11 P6.1 R83.1 | length 49.4
  Top Layer w1: R83.1@631.547,456.311 639.376,456.311 K6.6@642.766,452.921 K6.11@642.766,445.301
  Bottom Layer w1: K6.6@642.766,452.921 645.521,455.676 650.113,455.676 655.447,450.342 663.575,450.342 P6.1@667.131,453.898
HB: K6.4 K6.13 P6.2 R42.2 | length 36.5
  Bottom Layer w1: K6.13@637.686,445.301 641.202,448.817 ; K6.4@637.686,452.921 637.686,452.333 641.202,448.817 ; P6.2@667.131,448.818 R42.2@657.098,448.817 R42.2@657.098,448.817 641.202,448.817
HUM: K6.8 K6.9 P6.3 | length 29.3
  Top Layer w1: K6.9@647.841,445.301 K6.8@647.841,452.921
  Bottom Layer w1: K6.9@647.841,445.301 651.563,441.579 664.972,441.579 P6.3@667.131,443.738
INTA: R31.1 U4.20 | length 162.6
  Top Layer w0.254: R31.1@444.5,414.566 449.288,419.354 502.539,419.354 505.079,421.894 505.079,423.672 505.714,424.307 553.466,424.307 555.244,422.529 555.244,420.37 557.657,417.957 v1(560.324,417.957) ; v1(563.88,414.528) 563.88,412.75 v1(568.833,407.797) ; U4.20@569.793,398.821 572.049,398.821 572.389,399.161 573.532,399.161 574.04,398.653 577.469,398.653 v1(577.723,398.907)
  Bottom Layer w0.254: v1(560.324,417.957) 563.753,414.528 v1(563.88,414.528) ; v1(568.833,407.797) 569.087,407.797 571.627,405.257 571.627,399.923 571.881,399.669 573.786,399.669 574.548,398.907 v1(577.723,398.907)
INTB: R35.1 U4.19 | length 155.9
  Top Layer w0.254: R35.1@441.96,414.566 443.23,415.836 444.919,415.836 448.945,419.862 502.158,419.862 504.444,422.148 504.444,423.926 505.333,424.815 553.72,424.815 555.752,422.783 555.752,420.751 557.276,419.227 v1(558.673,419.227) ; v1(562.102,414.528) 562.102,413.004 v1(567.309,407.797) ; U4.19@569.793,398.171 572.871,398.171 v1@572.897,398.145
  Bottom Layer w0.254: v1(558.673,419.227) 558.673,417.83 561.975,414.528 v1(562.102,414.528) ; v1@567.309,407.416 567.69,407.035 568.706,407.035 570.992,404.749 570.992,399.669 572.262,398.399 v1(572.77,398.399)
LCD_CS: P19.29 U30.1 U34.1 U35.3 U39.1 | length 72.7
  Top Layer w0.254: v1(479.298,449.199) 479.587,448.91 P19.29@482.397,448.91 ; v1(505.079,448.31) 505.598,447.791 U34.1@506.978,447.791 508.381,449.194 508.381,451.739 508.9,452.258 508.9,452.755 509.905,453.76 509.905,456.692 508.9,457.697 U30.1@506.978,457.697 ; v1(505.206,442.722) 505.206,441.054 U39.1@507.232,439.028 ; v1(519.049,446.151) 519.09,446.11 U35.3@521.71,446.11
  Bottom Layer w0.254: v1(479.298,449.199) 494.665,449.199 495.554,448.31 v1(505.079,448.31) ; v1(505.206,442.722) 505.079,442.722 v1(505.079,448.31) ; v1(519.049,446.151) 514.604,446.151 512.445,448.31 v1(505.079,448.31)
LCD_RST: P19.33 U39.7 | length 28.4
  Top Layer w0.2: P19.33@482.397,443.83 483.524,443.83 484.886,442.468 492.379,442.468 499.719,435.128 U39.7@507.232,435.128
LED_BL: C93.1 P19.37 Q9.3 | length 8.1
  Top Layer w0.254: Q9.3@476.758,435.084 Q9.3@476.758,435.356
  Top Layer w0.5: Q9.3@476.758,435.356 478.447,437.045 C93.1@478.447,438.785 ; C93.1@478.735,438.73 P19.37@482.397,438.73
LVL1: U1.5 U2.6 | length 129
  Top Layer w0.254: U1.5@448.874,433.497 448.874,429.966 449.707,429.133 463.931,429.133 v1(464.312,428.752) ; v1(495.681,427.482) v1(555.244,427.482) ; v1(557.403,427.482) 556.895,426.974 556.895,423.164 557.276,422.783 563.372,422.783 564.556,421.599 U2.6@567.619,421.599
  Bottom Layer w0.254: v1(464.312,428.752) 465.074,427.99 495.173,427.99 v1(495.681,427.482) ; v1(555.244,427.482) v1(557.403,427.482)
LVL2: U2.21 U3.5 | length 79.2
  Top Layer w0.2: U2.21@574.619,420.299 577.286,420.299 578.231,419.354 580.136,419.354 v1(581.025,418.465) ; U3.5@574.756,476.433 577.779,476.433 577.779,477.068 578.612,477.901 581.406,477.901 582.168,477.139 582.168,461.899 580.771,460.502 v1(580.771,457.962) ; v1(580.771,452.247) 584.835,448.183 v1(584.835,421.259)
  Bottom Layer w0.2: v1(580.771,452.247) v1@580.771,458.216 ; v1(581.025,418.465) 582.041,418.465 v1(584.835,421.259)
LVL3: U2.24 U5.5 | length 55.9
  Top Layer w0.254: U2.24@574.619,422.249 577.316,422.249 577.596,422.529 581.279,422.529 600.329,403.479 v1@600.71,403.479 ; v1(599.694,400.431) 600.202,399.923 600.202,398.78 603.504,395.478 607.441,395.478 608.005,396.042 U5.5@608.005,403.144
  Bottom Layer w0.254: v1(599.694,400.431) 599.694,402.209 600.71,403.225 v1(600.456,403.225)
NetBAT1_1: BAT1.1 U6.3 | length 33.9
  Top Layer w0.254: BAT1.1@448.183,377.19 448.183,372.618 455.549,365.252 455.549,356.489 458.47,356.489 461.01,359.029 U6.3@464.659,359.029
NetBQ1_1: BQ1.1 U6.1 | length 7.3
  Top Layer w0.2: BQ1.1@457.736,362.592 458.759,361.569 U6.1@464.659,361.569
NetBQ1_4: BQ1.4 U6.2 | length 7.3
  Top Layer w0.2: BQ1.4@457.736,359.442 458.593,360.299 U6.2@464.659,360.299
NetC13_2: C13.2 R42.1 | length 7
  Bottom Layer w1: R42.1@657.098,445.517 658.209,444.406 C13.2@661.162,444.406 C13.2@661.162,446.906
NetC14_2: C14.2 R43.1 | length 5.8
  Bottom Layer w1: C14.2@630.435,513.715 C14.2@632.935,513.715 R43.1@636.271,513.715
NetC16_2: C16.2 R46.1 | length 6.5
  Bottom Layer w1: R46.1@429.769,457.708 429.769,459.741 430.149,460.121 C16.2@430.149,461.551 ; C16.2@430.182,461.518 C16.2@432.682,461.518
NetC17_2: C17.2 R47.1 | length 7.1
  Bottom Layer w1: R47.1@657.479,355.474 659.098,353.855 C17.2@661.416,353.855 C17.2@661.416,356.355
NetC22_2: C22.2 R50.1 | length 5.6
  Bottom Layer w1: C22.2@428.378,477.012 C22.2@430.878,477.012 431.132,477.266 R50.1@433.833,477.266
NetC23_2: C23.2 R51.1 | length 6.9
  Bottom Layer w1: R51.1@657.479,369.19 658.717,367.952 C23.2@661.416,367.952 C23.2@661.416,370.452
NetC24_2: C24.2 R56.1 | length 6
  Bottom Layer w1: C24.2@631.07,477.901 C24.2@633.57,477.901 R56.1@637.033,477.901
NetC25_2: C25.2 R57.1 | length 7
  Bottom Layer w1: R57.1@657.352,382.906 658.463,381.795 C25.2@661.416,381.795 C25.2@661.416,384.295
NetC28_2: C28.2 R61.1 | length 5.6
  Bottom Layer w1: C28.2@428.505,496.57 C28.2@431.005,496.57 R61.1@434.087,496.57
NetC29_2: C29.2 R62.1 | length 7.2
  Bottom Layer w1: R62.1@657.225,396.876 658.463,395.638 C29.2@661.416,395.638 C29.2@661.416,398.138
NetC30_2: C30.2 R65.1 | length 5.8
  Bottom Layer w1: C30.2@630.689,494.792 C30.2@633.189,494.792 R65.1@636.525,494.792
NetC31_2: C31.2 R66.1 | length 7.3
  Bottom Layer w1: R66.1@657.098,410.592 658.336,409.354 C31.2@661.416,409.354 C31.2@661.416,411.854
NetC36_2: C36.2 R74.1 | length 25.1
  Top Layer w1: v1(512.445,485.394) 512.539,485.3 C36.2@512.539,478.536
  Bottom Layer w1: R74.1@502.539,493.015 502.539,488.536 509.303,488.536 v1(512.445,485.394) ; C36.2@510.039,478.536 C36.2@512.539,478.536
NetC37_2: C37.2 R75.1 | length 7.1
  Bottom Layer w1: R75.1@657.225,424.308 658.209,423.324 C37.2@661.416,423.324 C37.2@661.416,425.824
NetC42_1: C42.1 R5.1 R94.1 U26.2 | length 11.8
  Top Layer w0.5: 422.275,391.795 422.516,391.554 R5.1@424.053,391.554 C42.1@425.577,391.554
  Top Layer w0.75: R94.1@422.275,392.29 422.275,391.795 420.37,389.89 420.37,387.477 420.878,386.969 U26.2@423,386.969
NetC42_2: C42.2 R5.2 R118.2 U26.1 U26.5 | length 17.8
  Top Layer w0.5: R118.2@416.446,389.255 416.941,389.255 v1(417.576,388.62) ; v1(421.64,388.62) 422.021,388.239 U26.1@423,388.239 424.434,388.239 ; R5.2@424.053,390.004 424.815,389.242 ; C42.2@425.577,390.004 424.815,389.242 ; U26.5@427.9,384.429 426.466,384.429 425.577,385.318 425.577,387.096 424.434,388.239 ; 424.434,388.239 424.815,388.62 424.815,389.242
  Bottom Layer w0.5: v1(417.576,388.62) v1(421.64,388.62)
NetC44_1: C44.1 R6.1 R94.2 R119.2 R122.1 U40.0 | length 19.1
  Top Layer w0.5: R119.2@419.989,396.888 421.018,396.888 421.365,396.888 421.386,396.867 R122.1@422.148,396.867 C44.1@423.291,396.867
  Top Layer w1: U40.0@417.909,401.401 U40.0@421.259,401.401 ; R94.2@422.275,393.84 R6.1@420.878,393.84 421.018,393.98 421.018,396.888 421.259,397.129 U40.0@421.259,401.401 ; U40.0@424.609,401.401 U40.0@421.259,401.401
NetC52_2: C52.2 R93.1 R95.1 U28.3 | length 22.3
  Top Layer w0.5: C52.2@393.446,450.964 R95.1@391.922,450.964 R93.1@391.922,449.339 396.227,449.339 402.59,442.976 U28.3@402.59,437.171
NetC56_2: C56.2 R103.1 R104.1 U28.5 | length 14.1
  Top Layer w0.5: C56.2@393.319,435.851 R104.1@391.668,435.851 R103.1@391.668,433.972 398.285,433.972 400.05,435.737 U28.5@400.05,437.171
NetC58_2: C58.2 R106.1 R107.1 U28.10 | length 23.8
  Top Layer w0.5: C58.2@393.192,420.611 R107.1@391.414,420.611 R106.1@391.414,418.732 396.634,418.732 400.05,422.148 U28.10@400.05,432.271
NetC67_2: C67.2 C68.2 C69.2 U31.6 U33.5 | length 6.9
  Top Layer w0.254: U33.5@408.464,401.381 408.518,401.435 U31.6@408.518,406.521
  Top Layer w0.5: U33.5@408.512,401.333 C69.2@410.21,401.333